# Altium PCB MC21R01.PcbDoc (part 3 of 5)
Units mm, origin at the board's own origin, x right, y up, seen from the top; angles counter-clockwise.
Board outline 100 x 50 mm, 8 copper layers (Top Layer, Layer 2, Layer 3, Layer 4, Layer 5, Layer 6, Layer 7, Bottom Layer), stack 1.724 mm thick; 418 components, 332 nets, 1931 pads, 729 vias.
Unrouted connection lines stored in the file: 192.
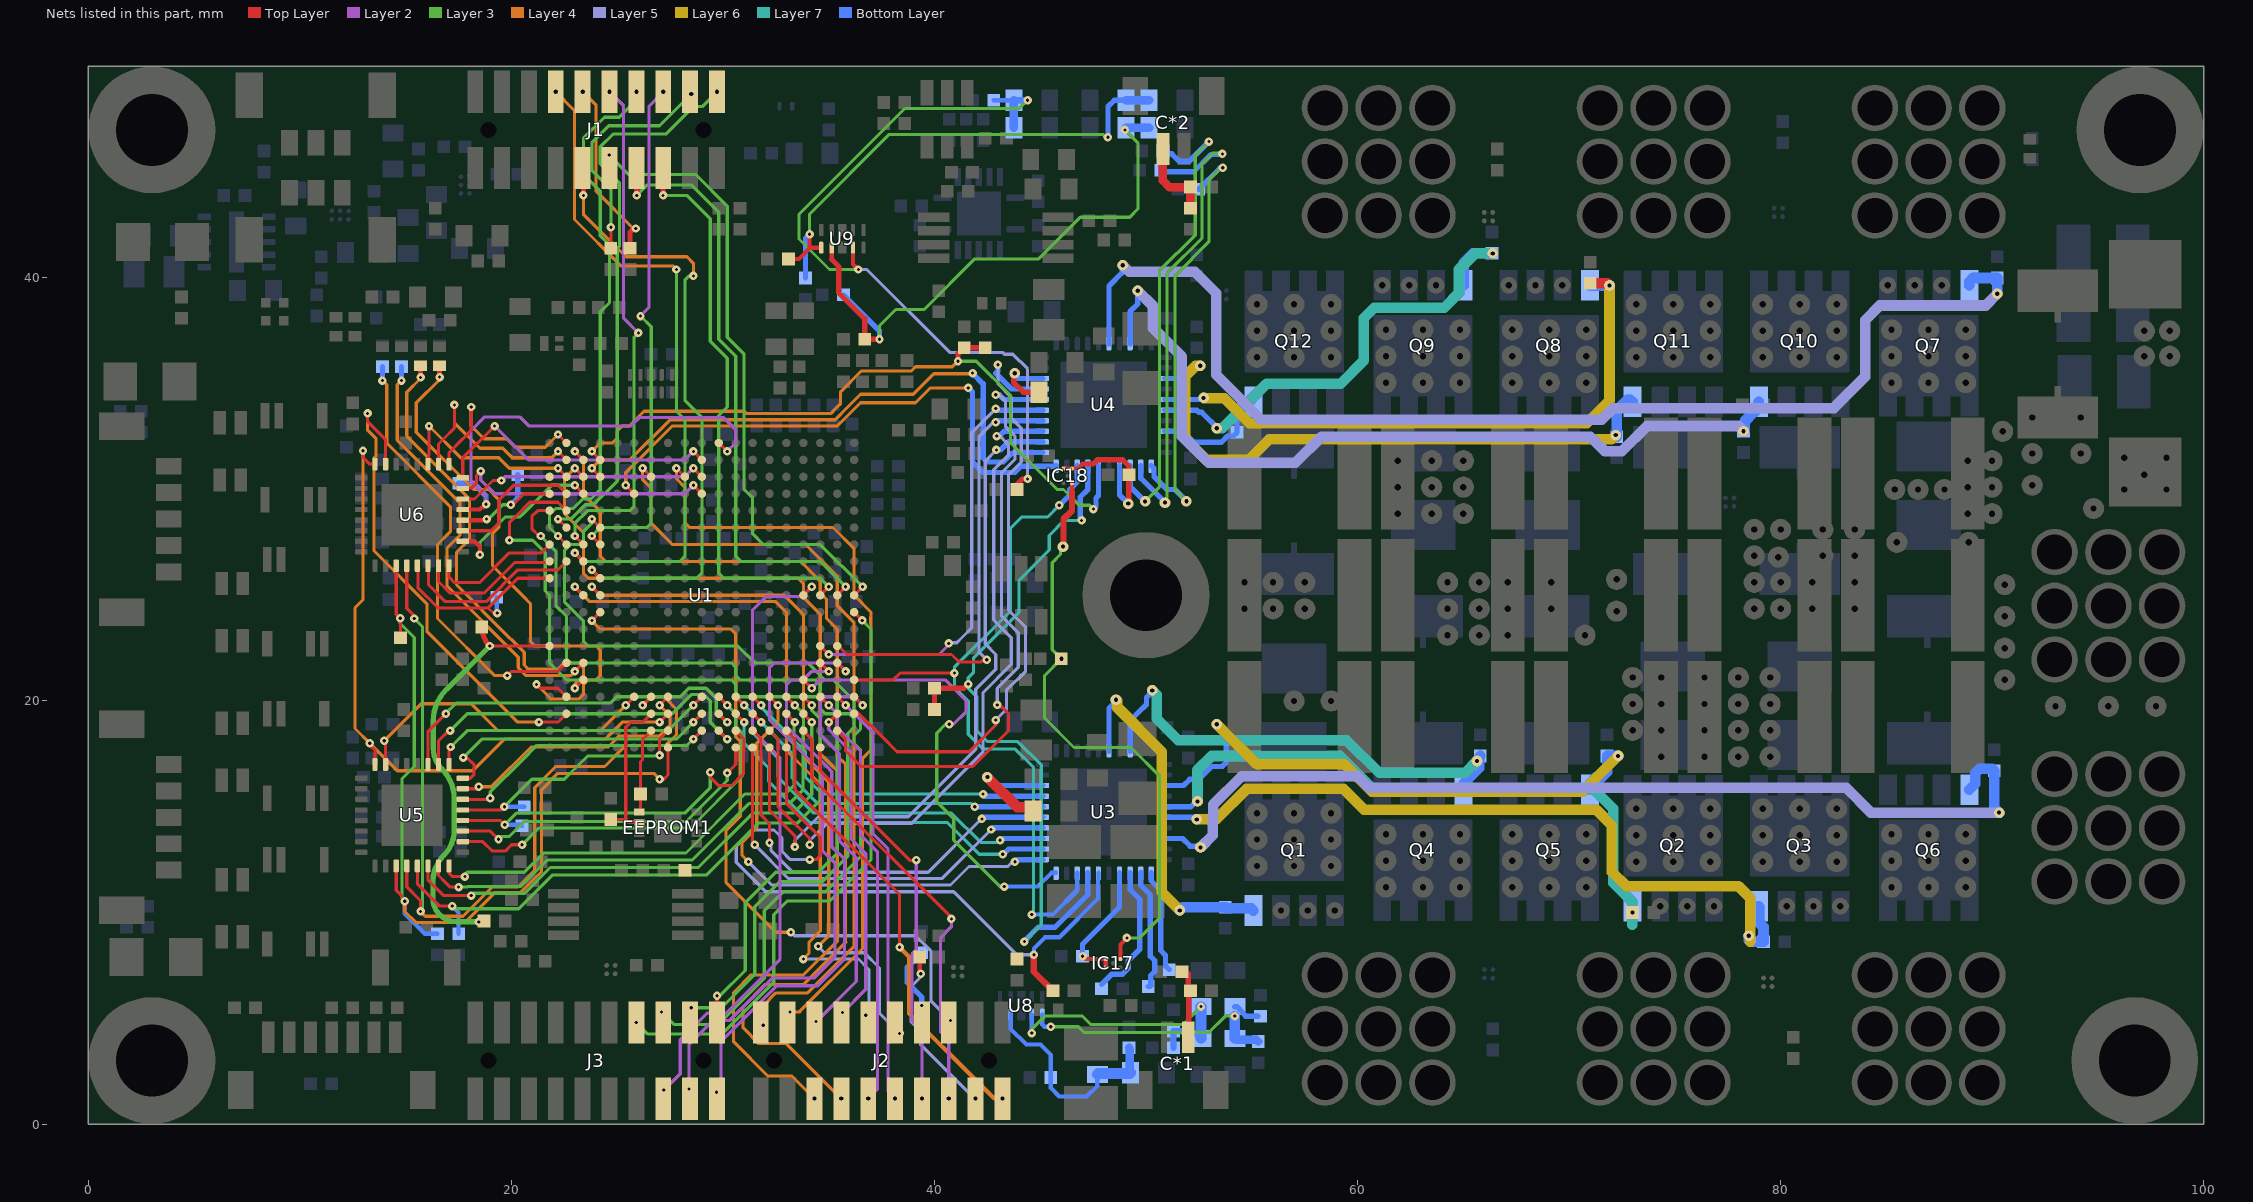
[diagram p9: the nets of this part, all layers, seen from the top]

## Via types
v1: diameter 0.4, hole 0.15, Top Layer to Bottom Layer, 552 vias
v2: diameter 0.5, hole 0.2, Top Layer to Bottom Layer, 131 vias
v3: diameter 0.6, hole 0.3, Top Layer to Bottom Layer, 45 vias
v4: diameter 0.4/0.4/0.4/0.4/0.4/0.4/0.4/0.4 (per signal layer), hole 0.15, Top Layer to Bottom Layer, 1 vias

## Nets (pads, with @x,y where several pads share a name; then routed paths per layer and width w, separated by ;. In a path a pad name is that pad's centre, name@x,y a point inside that pad or via, vN(x,y) a via of type N, cw(c..) or ccw(c..) an arc to the next point about the centre after c; other vN are vias at no path point) (continued)
DRV1_2_SIMO_GPIO16: U1.E1 U3.28 U4.28 | length 35.2
  Top Layer w0.15: U1.E1@36.2,21 36.204,20.996 37.5,20.996 38.048,20.996 38.374,21.322 v1(40.942,21.322)
  Layer 7 w0.15: v1(44.6,9.9) 44.687,9.987 44.687,16.858 43.82,17.724 42.304,17.724 41.6,18.429 41.6,19.987 40.942,20.644 v1(40.942,21.322) 40.942,21.597 43.6,24.255 43.6,28.177 44.123,28.7 45.349,28.7 v1(45.9,29.251)
  Bottom Layer w0.2: v1(44.6,9.9) 45.6,9.9 46.75,11.05 U3.28@46.75,11.875
  Bottom Layer w0.25: v1(45.9,29.251) 46.4,29.751 46.4,30 46.75,30.35 U4.28@46.75,31.125
DRV1_2_SOMI_GPIO17: R20.1 R66.2 U3.27 U4.27 | length 35.6
  Top Layer w0.25: R20.1@40,19.6 R66.2@40,20.6 41.4,20.6 v1(41.6,20.8)
  Layer 7 w0.15: v1(44.253,8.623) 45.044,9.413 45.044,16.978 43.944,18.077 42.507,18.077 42,18.584 42,20.2 41.6,20.6 v1(41.6,20.8) 41.6,21.1 41.85,21.35 41.85,22.05 44,24.2 44,25.716 45.425,27.141 45.425,27.825 46.14,28.54 v1(46.957,28.54)
  Bottom Layer w0.25: v1(44.253,8.623) 44.253,8.653 44.9,9.3 45.7,9.3 47.25,10.85 U3.27@47.25,11.875 ; v1(46.957,28.54) 46.891,28.606 46.891,29.641 47.25,30 U4.27@47.25,31.125
DRV1_3V3_REF: C26.1 IC17.C1 IC17.C3 U3.24 | length 6.2
  Top Layer w0.2: v1(47,7.931) 47.131,7.8 IC17.C1@48.1,7.8 IC17.C3@48.1,7.4
  Bottom Layer w0.25: v1(47,7.931) 47,8.5 48.75,10.25 U3.24@48.75,11.875
DRV1_ENABLE_GPIO89: U1.D6 U3.31 | length 23.7
  Top Layer w0.15: U1.D6@32.2,20.2 v1(32.6,19.8)
  Layer 4 w0.15: v1(31.2,12.4) 30.9,12.7 30.9,13.3 31.6,14 31.6,18 32.6,19 v1(32.6,19.8)
  Layer 5 w0.15: v1(31.2,12.4) 32.3,11.3 40.759,11.3 41.634,12.175 43.469,12.175 43.694,12.4 v1(43.8,12.4)
  Bottom Layer w0.25: v1(43.8,12.4) 43.841,12.4 43.941,12.5 U3.31@45.125,12.5
DRV1_INHA_GPIO00: U1.C8 U3.32 | length 18.4
  Top Layer w0.15: U1.C8@30.6,19.4 v1(31,19)
  Layer 7 w0.15: v1(31,19) 31,18 32.1,16.9 32.15,16.85 32.15,16.214 34.114,14.25 40.614,14.25 42.114,12.75 v1(43.231,12.75)
  Bottom Layer w0.25: v1@43.231,12.718 v1(43.231,12.75) ; v1@43.247,12.734 43.513,13 U3.32@45.125,13
DRV1_INHB_GPIO02: U1.A7 U3.34 | length 19.9
  Top Layer w0.15: U1.A7@31.4,17.8 31.4,13.3 v1(31.5,13.2)
  Layer 5 w0.15: v1(31.5,13.2) 33.1,11.6 40.352,11.6 v1(42.676,13.925)
  Bottom Layer w0.25: v1(42.676,13.925) 42.717,13.925 42.792,14 U3.34@45.125,14
DRV1_INHC_GPIO04: U1.C7 U3.36 | length 16.2
  Top Layer w0.15: U1.C7@31.4,19.4 v1(31.8,19)
  Layer 7 w0.15: v1(31.8,19) 33.262,17.537 33.262,16.9 33.262,16.374 34.486,15.15 41.75,15.15 v4(41.9,15)
  Bottom Layer w0.25: v4(41.9,15) U3.36@45.125,15
DRV1_INLA_GPIO01: U1.D8 U3.33 | length 18.5
  Top Layer w0.15: U1.D8@30.6,20.2 v1(31,19.8)
  Layer 7 w0.15: v1(31,19.8) 31.4,19.4 31.4,18.5 32.6,17.3 32.6,16.9 32.6,16.4 34.3,14.7 40.8,14.7 42.185,13.315 43.003,13.315 v1(43.1,13.412)
  Bottom Layer w0.25: v1(43.1,13.412) 43.141,13.412 43.229,13.5 U3.33@45.125,13.5
DRV1_INLB_GPIO03: U1.B7 U3.35 | length 20.5
  Top Layer w0.15: U1.B7@31.4,18.6 31.8,18.2 31.8,14.6 32.2,14.2 v1(32.2,13.3)
  Layer 5 w0.15: v1(32.2,13.3) 32.229,13.271 32.229,13.165 32.275,13.119 32.275,12.925 33.3,11.9 39.7,11.9 42.225,14.425 v1(42.244,14.425)
  Bottom Layer w0.25: v1(42.244,14.425) 42.224,14.425 42.21,14.44 42.27,14.5 U3.35@45.125,14.5
DRV1_INLC_GPIO05: U1.D7 U3.37 | length 16.4
  Top Layer w0.15: U1.D7@31.4,20.2 v1(31.8,19.8)
  Layer 7 w0.15: v1(31.8,19.8) 31.8,19.7 33.9,17.6 33.9,16.9 33.9,16.4 34.7,15.6 41.5,15.6 v1@42.3,15.6
  Bottom Layer w0.25: v1(42.3,15.6) 42.4,15.5 U3.37@45.125,15.5
DRV1_ISENA_ADCA0: R73.2 U3.23 | length 6.5
  Bottom Layer w0.25: R73.2@47.894,6.597 48.372,7.075 48.875,7.075 49.166,7.366 49.166,7.722 49.532,8.088 49.7,8.257 49.7,10.636 49.25,11.086 U3.23@49.25,11.875
DRV1_ISENB_ADCB0: R82.2 U3.22 | length 5.8
  Bottom Layer w0.25: U3.22@49.75,11.875 49.75,11.5 49.75,11.293 50.2,10.843 50.2,7.938 50.416,7.722 50.416,7.205 50.221,7.01 50.221,6.521 50.2,6.5 R82.2@50.1,6.5
DRV1_ISENC_ADCD0: R94.2 U3.21 | length 4.9
  Bottom Layer w0.25: U3.21@50.25,11.875 50.25,11.5 50.7,11.05 50.7,8.2 50.925,7.975 50.925,7.475 R94.2@51.1,7.3
DRV1_MOT_TEMP_ADCC4: C*1.1 R29.1 R91.2 | length 3.3
  Top Layer w0.25: R29.1@51.9,7.2 52,7.1 52,6.25 R91.2@52.025,6.225 ; C*1.1@52,4.1 52.025,4.125 R91.2@52.025,6.225 ; R91.2@52.1,6.3 R91.2@52.025,6.225
DRV1_nCS_GPIO19: U1.E4 U3.30 | length 22
  Top Layer w0.15: U1.E4@33.8,21 v1(34.2,20.6)
  Layer 2 w0.15: v1(34.2,20.6) 34.6,21 40.5,21 41.5,20 41.5,19.5 40.9,18.9 v1(40.7,18.9)
  Layer 3 w0.15: v1@40.521,18.9 40.103,18.483 40.103,15.24 40.907,14.436 40.907,13.42 43.107,11.22 43.11,11.223 v1(43.296,11.223)
  Bottom Layer w0.2: v1(43.296,11.223) 44.877,11.223 45.529,11.875 U3.30@45.75,11.875
DRV1_nFAULT_GPIO90: R27.1 R28.1 U1.A5 U3.26 | length 35.4
  Top Layer w0.15: U1.A5@33,17.8 33,15.166 34.625,13.541 34.625,12.713 34.412,12.5 v1(34.1,12.5)
  Top Layer w0.3: v1(44.7,8) 44.7,7.2 R28.1@45.6,6.3
  Layer 5 w0.15: v1(34.1,12.5) 33.187,12.5 32.787,12.899 32.787,13.526 32.413,13.9 31.387,13.9 30.625,13.138 30.625,12.375 32.02,10.98 40.906,10.98 43.887,8 v1(44.7,8)
  Bottom Layer w0.2: v1(44.7,8) 44.7,8.3 45.225,8.825 45.897,8.825 47.725,10.653 47.725,11.525 47.75,11.55 U3.26@47.75,11.875
DRV1_VSENA_ADCA2: C21.1 R17.1 R21.2 R75.2 U8.1 | length 13.6
  Layer 3 w0.15: v1(45.5,4.6) 46.8,4.6 47.075,4.325 52.975,4.325 53.75,5.1 v1(54.2,5.1)
  Bottom Layer w0.2: U8.1@45.1,5.183 45.1,4.7 45.2,4.6 v1(45.5,4.6)
  Bottom Layer w0.25: R17.1@54.2,5.55 54.3,5.55 54.575,5.275 54.575,5.246 54.721,5.1 R75.2@55.3,5.1
  Bottom Layer w0.4: R21.2@54.2,4.05 54.275,3.975 55.225,3.975 C21.1@55.3,3.9
  Bottom Layer w0.5: R21.2@54.2,4.05 v1(54.2,5.1)
DRV1_VSENB_ADCB2: C19.1 R18.1 R22.2 R84.2 U8.2 | length 13.4
  Layer 3 w0.15: v1@44.6,4.479 45.221,5.1 47,5.1 47.4,4.7 51.75,4.7 v1(52.6,5.55)
  Bottom Layer w0.2: v1(44.6,4.3) U8.2@44.6,5.183
  Bottom Layer w0.3: C19.1@51.3,3.6 R84.2@51.3,4.4 51.7,4.4 51.8,4.3 52.35,4.3 R22.2@52.6,4.05
  Bottom Layer w0.5: R22.2@52.6,4.05 v1(52.6,5.55)
DRV1_VSENC_ADCD2: C20.1 R19.1 R23.2 R96.2 U8.4 | length 10.6
  Bottom Layer w0.2: U8.4@43.6,5.183 43.6,4.5 44.346,3.754 45.009,3.754 45.5,3.263 R96.2@45.5,2.2 45.5,1.7 45.9,1.3 47.2,1.3 47.7,1.8 R19.1@47.7,2.35
  Bottom Layer w0.4: C20.1@49.2,3.6 49.238,3.562 49.238,2.462 R23.2@49.276,2.424
  Bottom Layer w0.5: R19.1@47.7,2.35 47.737,2.387 49.239,2.387 R23.2@49.276,2.424
DRV2_3V3_REF: C49.1 IC18.C1 IC18.C3 U4.24 | length 7.1
  Top Layer w0.2: IC18.C3@46.1,30.993 IC18.C1@46.5,30.993 46.793,30.993 47,31.2
  Top Layer w0.25: 47,31.2 47.5,31.2 47.7,31.4 48.9,31.4 49.2,31.1 C49.1@49.2,30.7 49.18,30.68 49.18,29.352 v2(49.16,29.332)
  Bottom Layer w0.25: U4.24@48.75,31.125 48.75,29.742 v2(49.16,29.332)
DRV2_ENABLE_GPIO37: U1.U16 U4.31 | length 27.7
  Top Layer w0.15: v1(23.8,31) U1.U16@24.2,30.6
  Layer 4 w0.15: v1(23.8,31) 24.2,31.4 25.6,31.4 27.499,33.299 35.299,33.299 35.9,33.9 36.5,34.5 39,34.5 39.973,35.473 ; 40.03,35.473 41.773,35.473 v1(41.8,35.5)
  Bottom Layer w0.25: v1(41.8,35.5) 41.8,35.493 42.3,34.993 42.3,31.5 42.501,31.299 43.251,31.299 43.652,31.7 43.7,31.7 43.75,31.75 U4.31@45.125,31.75
DRV2_INHA_GPIO06: U1.A6 U4.32 | length 33.2
  Top Layer w0.15: U1.A6@32.2,17.8 32.2,14.834 33.4,13.634 v1(33.4,13.1)
  Layer 5 w0.15: v1(33.4,13.1) 33.403,13.103 33.403,13.41 34.517,14.524 38.75,14.524 41.951,17.725 41.951,20.551 42.9,21.5 42.9,22.2 42.4,22.7 42.4,31.343 v1(42.93,31.874)
  Bottom Layer w0.25: v1(42.93,31.874) v1(42.93,31.874) 43.12,31.875 43.495,32.25 U4.32@45.125,32.25
DRV2_INHB_GPIO08: U1.G2 U4.34 | length 21.5
  Top Layer w0.15: U1.G2@35.4,22.6 35.462,22.6 35.862,22.2 36.366,22.2 37.5,22.2 40.806,22.2 41.162,21.845 42.204,21.845 42.262,21.902 42.426,21.902 v1(42.474,21.95)
  Layer 5 w0.15: v1(42.474,21.95) 42.098,22.326 42.098,32.491 42.753,33.146 42.871,33.146 v1(42.9,33.175)
  Bottom Layer w0.25: v1(42.9,33.175) 42.975,33.25 U4.34@45.125,33.25
DRV2_INHC_GPIO10: U1.B2 U4.36 | length 29.8
  Top Layer w0.15: U1.B2@35.4,18.6 35.8,18.2 35.8,17.966 35.8,17.634 36.534,16.9 41.8,16.9 43.5,18.6 43.5,19.407 43.202,19.705 43.138,19.705 43.032,19.812 v1(42.964,19.812)
  Layer 5 w0.15: v1(42.9,34.475) 43.063,34.475 43.363,34.176 43.363,32.961 cw(c-54.164,-64.991) 43.692,32.633 ; v1(42.964,19.812) 42.964,20.597 43.96,21.593 43.96,23.227 43.17,24.018 43.17,30.797 43.806,31.433 43.806,32.518 43.692,32.633 ; 43.689,32.635 cw(c42.93,31.874) 43.692,32.633
  Bottom Layer w0.25: v1(42.9,34.475) 43.063,34.475 43.288,34.25 U4.36@45.125,34.25
DRV2_INLA_GPIO07: U1.B6 U4.33 | length 35
  Top Layer w0.15: U1.B6@32.2,18.6 32.6,18.2 32.6,16.8 32.6,15 33,14.6 34.099,13.501 v1(34.1,13.2)
  Layer 5 w0.15: v1(34.1,13.2) 34.129,13.229 34.129,13.429 34.921,14.221 38.928,14.221 42.3,17.593 42.3,20.4 43.632,21.732 43.632,22.998 42.8,23.831 42.8,29 42.8,30.93 43.505,31.635 43.505,32.112 43.338,32.279 ccw(c42.93,31.874) 43.336,32.281 43.174,32.443 43.094,32.524 v1(42.944,32.524)
  Bottom Layer w0.25: v1(42.944,32.524) 42.945,32.525 43.063,32.525 43.288,32.75 U4.33@45.125,32.75
DRV2_INLB_GPIO09: U1.G3 U4.35 | length 21
  Top Layer w0.15: U1.G3@34.6,22.6 v1(35,22.2)
  Layer 2 w0.125: v1(35,22.2) 37.5,22.2 ; 40.224,22.2 40.672,22.648 v1(40.672,22.725)
  Layer 2 w0.15: 37.5,22.2 40.224,22.2
  Layer 5 w0.15: v1(40.672,22.725) 40.701,22.754 41.054,22.754 41.3,23 41.764,23.464 41.764,32.689 42.899,33.824 v1(42.9,33.825)
  Bottom Layer w0.25: v1(42.9,33.825) 42.975,33.75 U4.35@45.125,33.75
DRV2_INLC_GPIO11: U1.C1 U4.37 | length 29.6
  Top Layer w0.15: U1.C1@36.2,19.4 36.427,19.4 37.5,18.327 38.227,17.6 41.637,17.6 42.908,18.872 42.908,19.092 v1(42.9,19.1)
  Layer 5 w0.15: v1(42.9,19.1) 43.4,19.6 43.4,20.5 44.307,21.407 44.307,23.475 43.5,24.282 43.5,30.7 44.1,31.3 44.1,32.9 43.638,33.362 43.638,34.362 43,35 v1(43,35.9)
  Bottom Layer w0.25: v1(43,35.9) 43,35.593 42.9,35.493 43.643,34.75 U4.37@45.125,34.75
DRV2_ISENA_ADCA1: R74.2 U4.23 | length 23
  Layer 3 w0.15: v2(49.958,29.435) 50.636,30.112 50.636,40.335 52.326,42.026 52.326,45.8 v1(52.976,46.45)
  Bottom Layer w0.25: U4.23@49.25,31.125 49.25,30.144 v2(49.958,29.435) ; R74.2@50.8,46 50.925,45.875 51.212,45.875 51.562,45.525 52.051,45.525 v1(52.976,46.45)
DRV2_ISENB_ADCB1: R83.2 U4.22 | length 23.5
  Layer 3 w0.15: v2(50.897,29.382) 50.945,29.43 50.945,29.599 51,29.654 51,31.421 51,40.238 52.651,41.889 52.651,45.407 53.144,45.9 53.555,45.9 53.612,45.843 v1(53.612,45.865)
  Bottom Layer w0.25: U4.22@49.75,31.125 49.75,30.536 50.886,29.4 50.9,29.4 50.9,29.385 v2(50.897,29.382) ; R83.2@50.7,45.2 50.875,45.025 52.258,45.025 53.07,45.836 53.583,45.836 v1(53.612,45.865)
DRV2_ISENC_ADCD1: R95.2 U4.21 | length 21.2
  Top Layer w0.25: v2(51.913,29.445) v2@51.98,29.445
  Layer 3 w0.15: v2(51.913,29.445) 51.378,29.979 51.378,40.113 52.975,41.71 52.975,44.64 53.55,45.215 v1(53.625,45.215)
  Bottom Layer w0.25: U4.21@50.25,31.125 50.375,31 50.375,30.618 50.993,30 51.375,30 51.913,29.462 v2(51.913,29.445) ; R95.2@52.5,44.2 53.486,45.186 53.596,45.186 v1(53.625,45.215)
DRV2_MOT_TEMP_ADCC5: C*2.1 R42.1 R92.2 | length 3.9
  Top Layer w0.4: C*2.1@50.8,46.1 50.8,44.6 51.1,44.3 R42.1@52.1,44.3 R92.2@52.1,43.3
DRV2_nCS_GPIO35: U1.T14 U4.30 | length 26.9
  Top Layer w0.15: v1(25.4,30.2) U1.T14@25.8,29.8
  Layer 4 w0.15: v1(25.4,30.2) 25.4,30.8 27.6,33 35.4,33 36.5,34.1 39.1,34.1 39.8,34.8 v1(41.6,34.8)
  Bottom Layer w0.25: v1(41.6,34.8) 41.8,34.6 41.8,31.293 42.294,30.799 43.797,30.799 44.098,31.1 U4.30@45.75,31.1 U4.30@45.75,31.125
DRV2_nFAULT_GPIO36: R40.1 R41.1 U1.V16 U4.26 | length 34.8
  Top Layer w0.15: v1(23.8,31.8) U1.V16@24.2,31.4
  Top Layer w0.25: v1(41.112,36.065) 41.112,36.412 R40.1@41.4,36.7 R41.1@42.4,36.7
  Layer 3 w0.15: v1(41.112,36.065) 41.98,36.065 43.6,34.444 43.6,32.2 45.8,30 46.1,30 46.848,29.252 47.341,29.252 v1(47.516,29.076)
  Layer 4 w0.15: v1(23.8,31.8) 24.2,32.2 24.766,32.2 25,32.434 25,32.766 25.234,33 25.566,33 26.266,33.7 31,33.7 31.113,33.587 35.087,33.587 35.4,33.9 35.56,34.06 35.56,34.63 36.531,35.6 38.9,35.6 39.1,35.8 40.847,35.8 v1(41.112,36.065)
  Bottom Layer w0.25: v1(47.516,29.076) 47.633,29.193 47.633,29.591 47.75,29.708 U4.26@47.75,31.125
DRV2_VSENA_ADCA3: C44.1 R30.1 R34.2 R76.2 U9.4 | length 37.7
  Top Layer w0.2: U9.4@36.144,41.432 36.144,40.649 36.151,40.649 v1(36.4,40.4)
  Top Layer w0.25: R76.2@43.9,30 43.9,30.25 44.15,30.5 v1(44.4,30.5)
  Layer 3 w0.15: v1(36.4,40.4) 35.035,40.4 33.592,41.843 33.592,43.004 38.6,48.012 44.012,48.012 v1(44.4,48.4)
  Layer 5 w0.15: v1(36.4,40.4) 36.795,40.4 40.715,36.48 43.22,36.48 43.304,36.396 43.704,36.396 44.4,35.7 v1(44.4,30.5)
  Bottom Layer w0.2: C44.1@42.8,48.4 R34.2@43.75,48.4
  Bottom Layer w0.3: R34.2@43.75,48.4 v1(44.4,48.4)
  Bottom Layer w0.4: R30.1@43.75,47.1 R34.2@43.75,48.4
DRV2_VSENB_ADCB3: C42.1 R31.1 R35.2 R85.2 U9.2 | length 28.8
  Top Layer w0.2: 35.144,40.869 U9.2@35.144,41.432
  Top Layer w0.25: 35.144,40.869 35.475,40.538 35.475,39.292 36.7,38.067 R85.2@36.7,37.1 v1(37.4,37.1)
  Layer 3 w0.15: v1(37.4,37.1) 37.4,37.736 38.174,38.51 39.512,38.51 41.901,40.9 44.924,40.9 46.899,42.875 48.753,42.875 49.229,42.875 49.616,43.262 49.616,46.384 v1(49,47)
  Bottom Layer w0.25: C42.1@35.7,39.2 37.4,37.5 v1(37.4,37.1) ; v1(49,47) 49.05,47.05 R35.2@49.05,47.1
  Bottom Layer w0.4: R35.2@49.05,47.1 R31.1@50.15,47.1
DRV2_VSENC_ADCD3: C43.1 R32.1 R36.2 R97.2 U9.1 | length 24.8
  Top Layer w0.2: R97.2@33.1,40.9 33.6,40.9 34.132,41.432 ; v1(34.094,42.067) 34.094,41.471 34.132,41.432 ; U9.1@34.644,41.432 34.132,41.432
  Layer 3 w0.15: v1(34.094,42.067) 34.094,43.025 37.86,46.79 47.954,46.79 48.065,46.679 48.171,46.679 v1(48.2,46.65)
  Bottom Layer w0.25: C43.1@33.9,40 33.9,41.873 v1(34.094,42.067) ; 48.199,47.423 48.199,48.099 48.5,48.4 R36.2@49.05,48.4 ; v1(48.2,46.65) 48.2,47.422
  Bottom Layer w0.4: R36.2@49.05,48.4 R32.1@50.15,48.4
DRV_3V3_REF: IC17.A1 IC18.A1 R70.1 | length 28.3
  Top Layer w0.2: 46.5,29.9 IC18.A1@46.5,30.3 ; IC17.A1@48.793,7.8 48.793,8.493 v1(49.1,8.8)
  Top Layer w0.3: v2(46.075,27.3) 46.1,27.325 46.1,28.603 46.5,29.003 46.5,29.9
  Layer 3 w0.15: v2(46.075,27.3) 46.075,27.246 45.95,27.121 45.95,26.924 45.569,26.542 45.569,22.431 v2(46,22) 45.2,21.2 45.2,19.2 46.597,17.803 49.29,17.803 50.645,16.448 50.645,9.745 49.7,8.8 v1(49.1,8.8)
DVDD1: C12.1 U3.38 | length 5.7
  Top Layer w0.5: v2(42.5,16.4) 43.923,14.977 44.5,14.977 44.65,14.827 C12.1@44.65,14.8
  Bottom Layer w0.25: v2(42.5,16.4) 42.5,16.344 42.6,16.244 42.844,16 44.5,16 U3.38@45.125,16
DVDD2: C35.1 U4.38 | length 3.5
  Top Layer w0.25: v2(43.8,35.5) 43.8,35.432 43.742,35.374 43.742,35.058 44.2,34.6 C35.1@44.95,34.6
  Bottom Layer w0.25: v2(43.8,35.5) 43.7,35.4 43.85,35.25 U4.38@45.125,35.25
ECAT0_INT_GPIO154: R50.2 U1.B12 U5.21 | length 12.6
  Top Layer w0.15: U5.21@17.7,14.85 19.517,14.85 v1(19.663,14.996) ; v1(27,17.428) 27,18.2 U1.B12@27.4,18.6
  Layer 3 w0.15: v1(19.663,14.996) 20.967,16.3 22.5,16.3 23.1,16.9 23.6,17.4 26.972,17.4 v1(27,17.428)
  Bottom Layer w0.2: v1(19.663,14.996) 20.596,14.996 R50.2@20.6,15
ECAT0_LINK_GPIO143: R59.2 U1.F18 | length 20.9
  Top Layer w0.15: v1(19.8,21.2) 20,21.4 22.2,21.4 U1.F18@22.6,21.8
  Layer 4 w0.15: v1(13.9,35.15) 14.1,34.95 14.1,32.2 17.11,29.19 17.11,28.01 16.5,27.4 16.5,23.9 19.2,21.2 v1(19.8,21.2)
  Bottom Layer w0.25: v1(13.9,35.15) R59.2@13.9,35.8
ECAT0_PHYLINK_GPIO148: U1.D14 U5.31 | length 14.9
  Top Layer w0.15: v1(13.988,18.123) 14.05,18.062 U5.31@14.05,17 ; v1(25.4,19.8) U1.D14@25.8,20.2
  Layer 4 w0.15: v1(13.988,18.123) 15.734,19.869 18.095,19.869 19.364,18.6 20.5,18.6 24.2,18.6 v1(25.4,19.8)
ECAT0_RXCLK_GPIO163: U1.A8 U5.19 | length 15.5
  Top Layer w0.15: U5.19@17.7,13.85 18.998,13.85 v1(19.386,13.462) ; v1(30.2,16.6) 30.5,16.9 30.6,17 U1.A8@30.6,17.8
  Layer 3 w0.15: v1(19.386,13.462) 19.523,13.599 19.907,13.599 20.608,14.3 28.258,14.3 30.2,16.242 v1(30.2,16.6)
ECAT0_RXD0_GPIO165: U1.C5 U5.16 | length 22.1
  Top Layer w0.15: U5.16@17.05,12.2 17.05,11.85 17.2,11.7 v1(17.8,11.7) ; U1.C5@33,19.4 v1(33.4,19)
  Layer 3 w0.15: v1(17.8,11.7) 17.8,11.786 17.793,11.793 17.9,11.9 20.611,11.9 21.524,12.813 28.249,12.813 31.036,15.6 32.95,15.6 33.35,16 33.35,16.9 33.35,18.95 v1(33.4,19)
ECAT0_RXD1_GPIO166: U1.D5 U5.15 | length 24.6
  Top Layer w0.15: U5.15@16.55,12.2 16.55,11.75 16.9,11.4 17.1,11.2 v1(17.5,11.2) ; U1.D5@33,20.2 v1(33.4,19.8)
  Layer 3 w0.15: v1(17.5,11.2) 17.899,11.2 17.924,11.225 18.065,11.225 18.076,11.236 20.452,11.236 21.698,12.482 28.555,12.482 31.223,15.15 33.136,15.15 33.787,15.801 33.787,16.9 33.787,18.822 33.8,18.834 33.8,19.166 33.787,19.178 33.787,19.413 v1(33.4,19.8)
ECAT0_RXD2_GPIO167: U1.C4 U5.14 | length 25.1
  Top Layer w0.15: U5.14@16.05,12.2 16.05,11.55 16.8,10.8 v1(18.1,10.8) ; U1.C4@33.8,19.4 v1(34.2,19)
  Layer 3 w0.15: v1(18.1,10.8) 18.211,10.911 20.622,10.911 21.837,12.126 28.835,12.126 31.409,14.7 33.323,14.7 34.2,15.577 34.2,16.9 v1(34.2,19)
ECAT0_RXD3_GPIO168: R46.1 U1.D4 U5.13 | length 29.2
  Top Layer w0.15: U5.13@15.55,12.2 15.55,11.35 16.6,10.3 v1(17.2,10.3) ; U1.D4@33.8,20.2 v1(34.2,19.8)
  Layer 3 w0.15: v1(17.2,10.3) 17.2,10.275 17.3,10.175 20.336,10.175 21.931,11.769 29.216,11.769 31.671,14.225 33.509,14.225 34.6,15.315 34.6,18.834 34.6,19.166 34.366,19.4 34.2,19.566 v1(34.2,19.8)
  Bottom Layer w0.2: v1(17.2,10.3) 17.5,10 R46.1@17.5,9
ECAT0_RXDV_GPIO162: U1.D9 U5.18 | length 19.1
  Top Layer w0.15: U5.18@17.7,13.35 18.65,13.35 19.1,12.9 19.7,12.9 20,13.2 v1(20.5,13.2) ; U1.D9@29.8,20.2 v1(30.2,19.8)
  Layer 3 w0.15: v1(20.5,13.2) 21.297,13.997 28.464,13.997 30.9,16.433 30.9,16.9 30.9,18.5 30.6,18.8 30.6,19.4 v1(30.2,19.8)
ECAT0_RXERR_GPIO164: R44.2 U1.B8 U5.20 | length 18.5
  Top Layer w0.15: U5.20@17.7,14.35 19.478,14.35 v1(19.679,14.149) ; v1(29.4,16.628) 29.4,16.4 29.8,16 30.4,16 30.975,16.575 30.975,16.9 30.975,17.609 31,17.634 31,17.944 31,18.2 U1.B8@30.6,18.6
  Layer 3 w0.15: v1(19.679,14.149) 20.231,14.7 28.2,14.7 29.4,15.9 v1(29.4,16.628)
  Bottom Layer w0.2: v1(19.679,14.149) 20.451,14.149 R44.2@20.5,14.1
ECAT0_TXCLK_GPIO157: U1.B10 U5.22 | length 12.8
  Top Layer w0.15: U5.22@17.7,15.35 18.95,15.35 v1(19,15.4) ; v1(28.6,18.2) U1.B10@29,18.6
  Layer 3 w0.15: v1(19,15.4) 19,15.7 20.5,17.2 21.2,17.9 28.3,17.9 v1(28.6,18.2)
ECAT0_TXD0_GPIO158: U1.C10 U5.24 | length 13.9
  Top Layer w0.15: U5.24@17.7,16.35 18.053,16.35 18.233,16.53 18.233,16.988 17.922,17.299 v1@17.7,17.299 ; v1(28.6,19) U1.C10@29,19.4
  Layer 3 w0.15: v1(17.721,17.32) 18.601,18.2 20.5,18.2 21,18.2 27.8,18.2 v1(28.6,19)
ECAT0_TXD1_GPIO159: U1.D10 U5.25 | length 13.7
  Top Layer w0.15: U5.25@17.05,17 17.05,17.75 v1(17.124,17.824) ; v1(28.6,19.8) U1.D10@29,20.2
  Layer 3 w0.15: v1(17.124,17.824) 17.9,18.6 20.5,18.6 27.4,18.6 v1(28.6,19.8)
ECAT0_TXD2_GPIO160: U1.B9 U5.26 | length 17.7
  Top Layer w0.15: U5.26@16.55,17 16.55,18.119 17.031,18.6 v1(17.1,18.6) ; U1.B9@29.8,18.6 v1(30.2,18.2)
  Layer 3 w0.15: v1(17.1,18.6) 17.9,19.4 20.5,19.4 27.6,19.4 28.5,20.3 29.1,20.3 29.4,20 29.4,19 v1(30.2,18.2)
ECAT0_TXD3_GPIO161: U1.C9 U5.27 | length 18.2
  Top Layer w0.15: U5.27@16.05,17 16.05,18.55 v1(16.9,19.4) ; U1.C9@29.8,19.4 v1(30.2,19)
  Layer 3 w0.15: v1(16.9,19.4) 16.9,19.422 17.378,19.9 20.478,19.9 20.5,19.9 24.678,19.9 24.978,20.2 27.978,20.2 28.378,20.6 29.2,20.6 29.678,20.122 29.678,19.5 30.178,19 v1(30.2,19)